# Altium PCB Thunderscope_Rev2.PCBDOC (part 2 of 6) (continued)
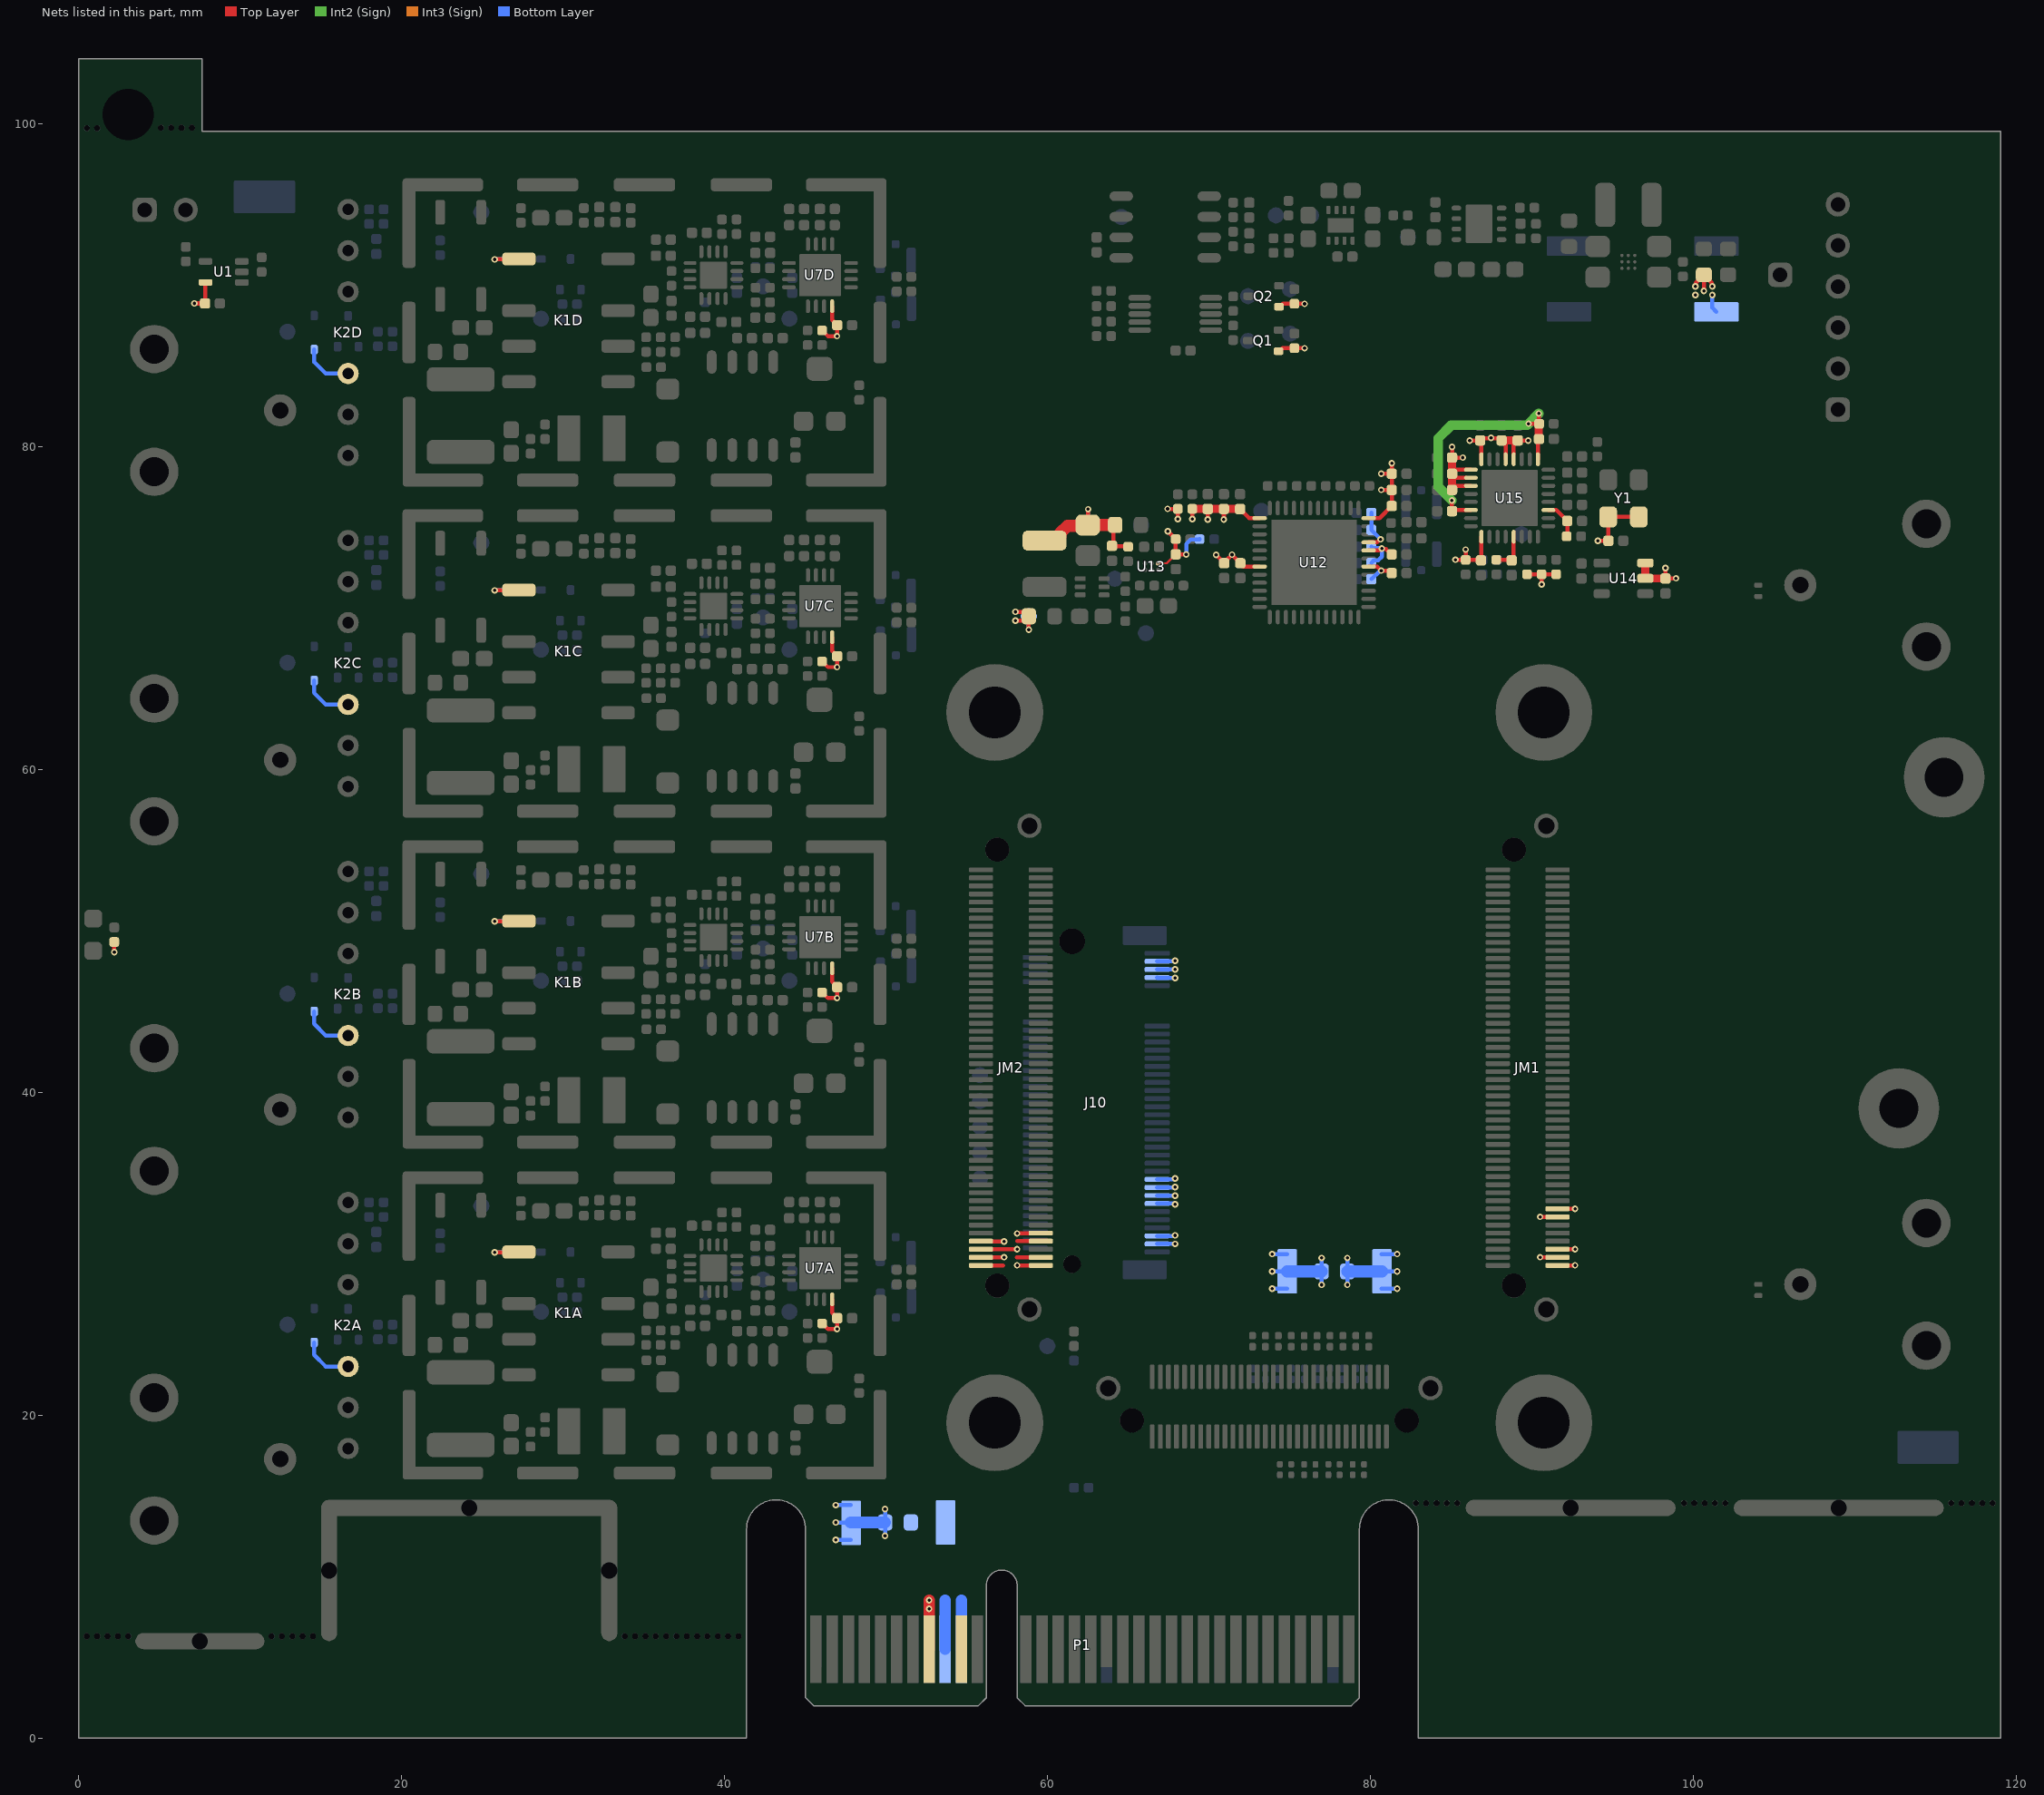
[diagram p6: the nets of this part, all layers, seen from the top]
## Footprints (in the part's own frame and the unit in brackets; to place one, negate y for a bottom-side part, rotate by r counter-clockwise, add the part's x,y. Pads: shape width x height; smd on the part's side, far side on the other; paste and mask are expansions set on the pad) (continued)
  oval 0.85x0.25 smd: 1(-1.925,0.75) 2(-1.925,0.25) 3(-1.925,-0.25) 4(-1.925,-0.75) 9(1.925,-0.75) 10(1.925,-0.25) 11(1.925,0.25) 12(1.925,0.75)
  oval 0.25x0.85 smd: 5(-0.75,-1.925) 6(-0.25,-1.925) 7(0.25,-1.925) 8(0.75,-1.925) 13(0.75,1.925) 14(0.25,1.925) 15(-0.25,1.925) 16(-0.75,1.925)
  rrect5% 2.6x2.6 smd paste-1.3: 17(0,0)
  silkscreen extent -2.97,-2.2 2.2,2.2, body extent -2.05,-2.05 2.05,2.05, height 0.8
TI_WSON8_DSG0008A [mm] "SON, 8-Leads, Body 2.00x2.00mm, Pitch 0.50mm, Thermal Pad 1.60x0.69mm, IPC Medium Density"
  rrect50% 0.5x0.25 smd: 1(-0.95,0.75) 2(-0.95,0.25) 3(-0.95,-0.25) 4(-0.95,-0.75) 5(0.95,-0.75) 6(0.95,-0.25) 7(0.95,0.25) 8(0.95,0.75)
  rrect10% 0.9x1.6 smd paste-0.9: 9(0,0)
  silkscreen extent -1.35,-1.2 1.05,1.25, body extent -1.05,-1.05 1.05,1.05, height 0.8
TI_X1SON_DPY0002A [mm] "Chip Resistor, 2-Leads, Body 1.00x0.50mm, IPC Medium Density"
  rrect50% 0.3x0.5 smd: 1(-0.35,0) 2(0.35,0)
  body extent -0.55,-0.35 0.55,0.35, height 0.45
VISH_TSOT6 [mm] "SOT23, 6-Leads, Body 2.98x2.84mm, Pitch 0.95mm, IPC Medium Density"
  rrect50% 1x0.55 smd: 1(-1.35,0.95) 2(-1.35,0) 3(-1.35,-0.95) 4(1.35,-0.95) 5(1.35,0) 6(1.35,0.95)
  silkscreen extent -2.22,-1.55 0.45,1.67, body extent -1.49,-1.55 1.49,1.55, height 1.1

## Part data
C1 C12 C13 C14 C24A C24B C24C C24D C26A C26B C26C C26D C28A C28B C28C C28D C32A C32B C32C C32D C33A C33B C33C C33D C34A C34B C34C C34D C35A C35B C35C C35D C36A C36B C36C C36D C37A C37B C37C C37D C38A C38B C38C C38D C39A C39B C39C C39D C59 C63A C63B C63C C63D C64A C64B C64C C64D C96 C97 C98 C99 C100 C102A C102B C102C C102D C103 C104: library part "CAP 100nF 16V X7R 0402", Package=0402, Supplier Part Number 1=490-4759-1-ND, Voltage Rating=16V, Supplier 1=Digi-Key
C2 C3 C53: library part "CAP 22uF 25V X5R 0805", Package=0805, Supplier Part Number 1=490-10749-1-ND, Voltage Rating=25V, Supplier 1=Digi-Key
C4 C29A C29B C29C C29D: library part "CAP 100pF 50V C0G 0402", Package=0402, Supplier Part Number 1=490-14349-1-ND, Temperature Coefficient=C0G, Voltage Rating=50V, Supplier 1=Digi-Key
C5 C6 C7 C8 C11 C52 C60: library part "CAP 10uF 10V X5R 0603", Package=0402, Supplier Part Number 1=490-10474-1-ND, Voltage Rating=10V, Supplier 1=Digi-Key
C9 C25A C25B C25C C25D C30A C30B C30C C30D C41 C42 C49 C50 C54 C58 C82 C83 C84 C85 C86 C87 C88 C89 C90 C93 C94 C95: library part "CAP 1uF 25V X5R 0402", Package=0402, Supplier Part Number 1=490-10017-1-ND, Voltage Rating=25V, Supplier 1=Digi-Key
C10 C22A C22B C22C C22D C45 C46 C56: library part "CAP 1nF 50V C0G 0402", Package=0402, Supplier Part Number 1=490-6189-1-ND, Voltage Rating=50V, Supplier 1=Digi-Key
C15 C16 C40 C62 C65 C66 C67 C68 C69 C70 C71 C72 C73 C74 C75 C76 C77 C79 C80 C81: library part "CAP 100nF 6.3V X5R 0201", Package=0201, Supplier Part Number 1=490-3167-1-ND, Voltage Rating=6.3V, Supplier 1=Digi-Key
C17A C17B C17C C17D C27A C27B C27C C27D C101A C101B C101C C101D: library part "CAP 22nF 100V X7R 0603", Package=0603, Supplier Part Number 1=490-4782-1-ND, Voltage Rating=100V, Supplier 1=Digi-Key
C18A C18B C18C C18D: library part "CAP TRIMMER 5.5-20PF 500V", Supplier Part Number 1=2447-SGC3S200NMCT-ND, Supplier 1=Digikey
C19A C19B C19C C19D: library part "CAP 10pF 100V C0G 0603", Package=0603, Supplier Part Number 1=478-5769-1-ND, Voltage Rating=100V, Supplier 1=Digi-Key
C20A C20B C20C C20D: library part "CAP 680pF 50V C0G 0402", Package=0402, Supplier Part Number 1=490-16439-1-ND, Temperature Coefficient=C0G, Voltage Rating=50V, Supplier 1=Digi-Key
C21A C21B C21C C21D: library part "CAP 300pF 50V C0G 0402", Package=0402, Supplier Part Number 1=490-GCM1555C1H301FA16DCT-ND, Temperature Coefficient=C0G, Voltage Rating=50V, Supplier 1=Digi-Key
C23A C23B C23C C23D C43 C44 C47 C48 C55 C57: library part "CAP 10nF 50V X7R 0402", Package=0402, Supplier Part Number 1=490-6351-1-ND, Voltage Rating=50V, Supplier 1=Digi-Key
C31A C31B C31C C31D C78A C78B C78C C78D: library part "CAP 2.2uF 10V X5R 0402", Package=0402, Supplier Part Number 1=587-3153-1-ND, Voltage Rating=10V, Supplier 1=Digi-Key
C51: library part "CAP 39pF 50V C0G 0402", Package=0402, Supplier Part Number 1=399-C0402C390J5GAC7867CT-ND, Temperature Coefficient=C0G, Voltage Rating=50V, Supplier 1=Digi-Key
C61 C91 C92: library part "CAP 4.7uF 6.3V X5R 0402", Package=0402, Supplier Part Number 1=490-5915-1-ND, Voltage Rating=6.3V, Supplier 1=Digi-Key
D1: library part "LED GREEN 0603 LTST-S270K", Supplier Part Number 1=160-1478-1-ND, Supplier 1=Digi-Key
D2A D2B D2C D2D D3A D3B D3C D3D: library part "DIODE 1N4148", Max Current=150mA, Max Reverse Voltage=75V, Supplier Part Number 1=1N4148WS-FDICT-ND, Supplier 1=Digi-Key
D4 D5: library part "TVS TPD1E1B04", Supplier Part Number 1=296-47364-1-ND, Supplier 1=Digi-Key
FB1 FB2 FB3 FB4 FB5 FB6: library part "FERRITE BEAD 120 OHM 0402", Supplier Part Number 1=490-9656-1-ND, Supplier 1=Digi-Key
GDT1A GDT1B GDT1C GDT1D: library part "GDT 75V 1812", Supplier Part Number 1=YAG6774CT-ND, Supplier 1=Digi-Key
J1: library part "CONN 2.54mm 2 Pin TH RA", Supplier Part Number 1=SAM12296-ND, Supplier 1=Digi-Key
J2A J2B J2C J2D J3A J3B J3C J3D J5 J6: library part "UFL Jack SMD", Supplier Part Number 1=A145155CT-ND, Supplier 1=Digi-Key
J4A J4B J4C J4D J7 J9: library part "BNC JACK R/A", Supplier Part Number 1=WM5524-ND, Supplier 1=Digi-Key
J8: library part "CONN 2.54mm 6 Pin TH RA", Supplier Part Number 1=732-5339-ND, Supplier 1=Digi-Key
J10: Supplier Part Number 1=A124992CT-ND, Supplier 1=Digi-Key
JM1 JM2: library part "CONN LSHM-150-04.0-L-DV-A-S-K-TR", Supplier Part Number 1=SAM9033CT-ND, Supplier 1=Digi-Key
JM3: library part "CONN LSHM-130-04.0-L-DV-A-S-K-TR", Supplier Part Number 1=SAM9034CT-ND, Supplier 1=Digi-Key
K1A K1B K1C K1D: library part "RELAY DPDT-NO FTR-B3SA", Supplier Part Number 1=817-FTR-B3SA003Z, Supplier 1=Mouser
K2A K2B K2C K2D: library part "RELAY RF SPST-NO 9002-05-10"
L1 L2: library part "IND 1uH 3.1A 45 MOHM 1210", Supplier Part Number 1=490-10590-1-ND, Supplier 1=Digi-Key
L3A L3B L3C L3D: library part "IND TBD 0402"
MH1 MH2 MH3 MH4: library part "MH M3"
P1: library part CMP-0001-00031-2, "Golden finger, PCIeX4, Dual, Opposite, Pitch 1mm, 64-Position", ClassName="Edge Connector", Datasheet Version="rev2.0, Apr-2007", Mating Connector=Molex-87715-9106, Package Reference=PCIeX4-GF-2D-1000-1K-O64, Publisher=Altium
Q1 Q2 Q3A Q3B Q3C Q3D Q4A Q4B Q4C Q4D: library part "NMOS DMN62D0UW", Max Power=320mW, Supplier Part Number 1=DMN62D0UW-7DICT-ND, Id=340mA, Supplier 1=Digi-Key, Vdss=60V
R1 R30A R30B R30C R30D R40A R40B R40C R40D R50A R50B R50C R50D R51A R51B R51C R51D R86 R88: library part "RES 0 OHM 1/16W 0402", Package=0402, Power Rating=0.0625W, Supplier Part Number 1=311-0.0JRCT-ND, Supplier 1=Digi-Key
R2 R6 R14 R16 R20 R21 R22 R23 R26A R26B R26C R26D R27A R27B R27C R27D R28A R28B R28C R28D R29A R29B R29C R29D R38 R42 R44 R46 R52A R52B R52C R52D R89 R90 R91 R92 R93 R94 R97A R97B R97C R97D R98A R98B R98C R98D: library part "RES 10K OHM 1% 1/10W 0402", Package=0402, Power Rating=0.1W, Supplier Part Number 1=P10.0KLCT-ND, Tolerance=1%, Supplier 1=Digi-Key
R3 R4 R5 R7 R36 R58 R87 R95: library part "RES 0.01 OHM 1% 1/4W 0603", Package=0603, Power Rating=0.25W, Supplier Part Number 1=408-1404-1-ND, Tolerance=1%, Supplier 1=Digi-Key
R8 R9: library part "RES 0.1 OHM 1% 1/6W 0402", Package=0402, Power Rating=0.16W, Supplier Part Number 1=P.10AKCT-ND, Tolerance=1%, Supplier 1=Digi-Key
R10 R24A R24B R24C R24D: library part "RES 309K OHM 1% 1/16W 0402", Package=0402, Power Rating=0.0625W, Supplier Part Number 1=YAG3108CT-ND, Tolerance=1%, Supplier 1=Digi-Key
R11: library part "RES 294K OHM 1% 1/16W 0402", Package=0402, Power Rating=0.0625W, Supplier Part Number 1=YAG3092CT-ND, Tolerance=1%, Supplier 1=Digi-Key
R12: library part "RES 36K OHM 1% 1/16W 0402", Package=0402, Power Rating=0.0625W, Supplier Part Number 1=311-36.0KLRCT-ND, Tolerance=1%, Supplier 1=Digi-Key
R13 R32A R32B R32C R32D R39 R61: library part "RES 100K OHM 1% 1/10W 0402", Package=0402, Power Rating=0.1W, Supplier Part Number 1=311-100KLRCT-ND, Tolerance=1%, Supplier 1=Digi-Key
R15 R17 R18 R19 R48A R48B R48C R48D: library part "RES 2K OHM 1% 1/16W 0402", Package=0402, Power Rating=0.0625W, Supplier Part Number 1=311-2KLRCT-ND, Tolerance=1%, Supplier 1=Digi-Key
R25A R25B R25C R25D: library part "RES 681K OHM 1% 1/16W 0402", Package=0402, Power Rating=0.0625W, Supplier Part Number 1=YAG3212CT-ND, Tolerance=1%, Supplier 1=Digi-Key
R31A R31B R31C R31D R33A R33B R33C R33D R84 R85: library part "RES 49.9 OHM 1% 1/10W 0402", Package=0402, Power Rating=0.1W, Supplier Part Number 1=311-49.9LRCT-ND, Tolerance=1%, Supplier 1=Digi-Key
R34A R34B R34C R34D R41A R41B R41C R41D R99A R99B R99C R99D R100A R100B R100C R100D: library part "RES 909K OHM 1% 1/16W 0402", Package=0402, Power Rating=0.0625W, Supplier Part Number 1=YAG2377CT-ND, Tolerance=1%, Supplier 1=Digi-Key
R35A R35B R35C R35D R45A R45B R45C R45D R53A R53B R53C R53D R67: library part "RES 1K OHM 1% 1/10W 0402", Package=0402, Power Rating=0.1W, Supplier Part Number 1=311-1.00KLRCT-ND, Tolerance=1%, Supplier 1=Digi-Key
R37: library part "RES 220K OHM 1% 1/16W 0402", Package=0402, Power Rating=0.0625W, Supplier Part Number 1=311-220KLRCT-ND, Tolerance=1%, Supplier 1=Digi-Key
R43A R43B R43C R43D R47A R47B R47C R47D R49A R49B R49C R49D: library part "RES 90.9K OHM 1% 1/16W 0402", Package=0402, Power Rating=0.0625W, Supplier Part Number 1=311-90.9KLRCT-ND, Tolerance=1%, Supplier 1=Digi-Key
R54A R54B R54C R54D: library part "RES DNP 0402", Package=0402, Power Rating=0.0625W, Tolerance=1%
R55A R55B R55C R55D: library part "TRIMMER 5K OHM 0.1W J LEAD TOP", Power Rating=0.1W, Supplier Part Number 1=TC33X-502ECT-ND, Tolerance=1%, Supplier 1=Digi-Key
R56A R56B R56C R56D R57 R60 R62 R63 R64 R96A R96B R96C R96D: library part "RES 100 OHM 1% 1/10W 0402", Package=0402, Power Rating=0.1W, Supplier Part Number 1=2019-RK73H1ETTP1000FCT-ND, Tolerance=1%, Supplier 1=Digi-Key
R59: library part "RES 261K OHM 1% 1/16W 0402", Package=0402, Power Rating=0.0625W, Supplier Part Number 1=311-261KLRCT-ND, Tolerance=1%, Supplier 1=Digi-Key
R65A R65B R65C R65D: library part "RES TBD 0603", Package=0603
R68 R69 R70 R71 R72 R73 R74 R75 R76 R77 R78 R79 R80 R81 R82 R83: library part "RES 0 OHM 1% 1/20W 0201", Package=0201, Power Rating=0.05W, Supplier Part Number 1=RMCF0201ZT0R00CT-ND, Tolerance=1%, Supplier 1=Digi-Key
SHLD3A SHLD3B SHLD3C SHLD3D: library part "SHIELD 2118728-2", Supplier Part Number 1=A126158CT-ND, Supplier 1=Digi-Key
TP1 TP3 TP4 TP8 TP40 TP41 TP45 TP46: library part "TP KEYSTONE 5015", Supplier Part Number 1=36-5015CT-ND, Supplier 1=Digi-Key
TP5 TP6: library part "TP KEYSTONE 5019", Supplier Part Number 1=36-5019CT-ND, Supplier 1=Digi-Key
TP9 TP10 TP11 TP12 TP13 TP15 TP16 TP17 TP18 TP19 TP20 TP21 TP22A TP22B TP22C TP22D TP23A TP23B TP23C TP23D TP24A TP24B TP24C TP24D TP25A TP25B TP25C TP25D TP26A TP26B TP26C TP26D TP27 TP28 TP29 TP33 TP34 TP35 TP36 TP37 TP38 TP39 TP42 TP43 TP44: library part "TP PCB 1mm"
U1: library part "IC BUFFER SN74LVC1G17", Supplier Part Number 1=296-11934-1-ND, Supplier 1=Digi-Key
U2: library part "IC BOOST TPS61256A", Supplier Part Number 1=296-48833-1-ND, Supplier 1=Digi-Key
U3: library part "IC LDO ISL80510", Supplier Part Number 1=968-ISL80510IRAJZ-T7, Supplier 1=Mouser
U4: library part "IC CPUMP LM27761", Supplier Part Number 1=296-44379-1-ND, Supplier 1=Digi-Key
U5 U9A U9B U9C U9D: library part "IC OPAMP OP07CDR", Supplier Part Number 1=296-14626-1-ND, Supplier 1=Digi-Key
U6: library part "IC DAC QUAD MCP4728", Supplier Part Number 1=MCP4728A1T-E/UNCT-ND, Supplier 1=Digi-Key
U7A U7B U7C U7D: library part "IC PGA LMH6518", Supplier Part Number 1=LMH6518SQE/NOPBCT-ND, Supplier 1=Digi-Key
U8A U8B U8C U8D: library part "IC BUFFER AMP BUF802"
U10A U10B U10C U10D: library part "SSR CPC1017NTR", Supplier Part Number 1=CLA233CT-ND, Supplier 1=Digi-Key
U11: library part "IC BUCK TPS62A01"
U12: library part "IC ADC HMCAD1511", Supplier Part Number 1=1127-1648-ND, Supplier 1=Digi-Key
U13: library part "IC LDO LD57100JR", Supplier Part Number 1=497-LD57100JRCT-ND, Supplier 1=Digi-Key
U14: library part "IC SWITCH LOAD SIP32508", Supplier Part Number 1=SIP32508DT-T1-GE3CT-ND, Supplier 1=Digi-Key
U15: library part "IC CLK GEN ZL30250LDG1"
VAR1A VAR1B VAR1C VAR1D: library part "VARISTOR 68V 250A 1210", Supplier Part Number 1=118-ZV40K1210251NIR1HTCT-ND, Supplier 1=Digi-Key
Y1: library part "OSC 10MHz ECS-TXO-3225MV", Supplier Part Number 1=50-ECS-TXO-3225MV-100-CT-ND, Supplier 1=Digi-Key

## Free pads (board coordinates)
  round 0.38 hole 0.38 unplated mask+0: 1(0.5,6.3) 1(0.5,99.7) 1(1.14,6.3) 1(1.14,99.7) 1(1.78,6.3) 1(2.42,6.3) 1(3.06,6.3) 1(5.085,99.725) 1(5.725,99.725) 1(6.365,99.725) 1(7.005,99.725) 1(11.94,6.3) 1(12.58,6.3) 1(13.22,6.3) 1(13.86,6.3) 1(14.5,6.3) 1(33.81,6.3) 1(34.45,6.3) 1(35.09,6.3) 1(35.73,6.3) 1(36.37,6.3) 1(37.01,6.3) 1(37.65,6.3) 1(38.29,6.3) 1(38.93,6.3) 1(39.57,6.3) 1(40.21,6.3) 1(40.85,6.3) 1(82.795,14.55) 1(83.435,14.55) 1(84.075,14.55) 1(84.715,14.55) 1(85.355,14.55) 1(99.395,14.55) 1(100.035,14.55) 1(100.675,14.55) 1(101.315,14.55) 1(101.955,14.55) 1(115.94,14.55) 1(116.58,14.55) 1(117.22,14.55) 1(117.86,14.55) 1(118.5,14.55)
  oval 8x1 hole 1 slot 8 at 0 deg unplated: 1(7.5,6)
  oval 1x8.75 hole 1 slot 8.75 at 90 deg unplated: 1(15.5,10.375) 1(32.85,10.375)
  oval 18.35x1 hole 1 slot 18.35 at 0 deg unplated: 1(24.175,14.25)
  oval 13x1 hole 1 slot 13 at 0 deg unplated: 1(92.375,14.25) 1(108.975,14.25)
  round 2.88 hole 3.18 unplated: MH1(3.05,100.55)
  round 5 hole 2.4: MH2(112.7,39) MH2(115.5,59.5)

## Via types
v1: diameter 0.406, hole 0.203, Top Layer to Bottom Layer, tented both sides, 1168 vias

## Nets (pads, with @x,y where several pads share a name; then routed paths per layer and width w, separated by ;. In a path a pad name is that pad's centre, name@x,y a point inside that pad or via, vN(x,y) a via of type N, cw(c..) or ccw(c..) an arc to the next point about the centre after c; other vN are vias at no path point)
3.3Vaux: P1.B10
+1V8A: C41.2 C42.2 C43.2 C44.2 C45.2 C46.2 C54.2 C55.2 C56.2 FB1.2 U12.1 U12.32 U12.36 | length 15.7
  Top Layer w0.254: v1(68.95,75.495) FB1.2@68.95,76.125 FB1.2@68.954,76.121 ; v1(69.9,75.466) 69.904,75.47 69.904,76.113 C42.2@69.907,76.117 C42.2@69.903,76.121 ; v1(70.9,75.466) 70.904,75.47 70.904,76.113 C44.2@70.907,76.117 ; C46.2@71.907,76.117 72.474,75.55 U12.1@73.118,75.55 ; U12.32@79.868,73.55 79.87,73.552 80.521,73.552 80.644,73.675 v1@80.675,73.675 ; U12.36@79.868,75.55 79.87,75.552 80.549,75.552 C45.2@81.297,76.3 C43.2@81.297,77.3 ; v1(80.647,77.3) C43.2@81.297,77.3 ; v1(80.647,78.3) C41.2@81.297,78.3 ; v1(80.685,73.675) v1@80.675,73.675 ; C56.2@81.297,73.3 81.279,73.3 80.933,73.646 80.704,73.646 v1@80.675,73.675 ; v1(81.3,78.95) 81.299,78.949 81.299,78.301 C41.2@81.297,78.3 ; C43.2@81.297,77.3 C41.2@81.297,78.3
  Top Layer w0.5: FB1.2@68.954,76.121 C42.2@69.903,76.121 ; C42.2@69.907,76.117 C44.2@70.907,76.117 C46.2@71.907,76.117
  Bottom Layer w0.254: C55.2@80.035,72.775 80.191,72.931 80.456,72.931 80.685,73.16 v1(80.685,73.675) 80.656,73.704 80.106,73.704 C54.2@80.035,73.775
+1V8APLL: C82.1 C83.1 C84.1 C85.1 C86.1 C87.1 C88.1 C89.1 FB3.2 U15.12 U15.13 U15.16 U15.17 U15.18 U15.19 U15.25 Y1.1 Y1.4 | length 20.4
  Top Layer w0.254: C87.1@85.035,77.282 C87.1@85.035,77.3 ; v1(85.035,79.965) C85.1@85.035,79.3 v1(85.7,79.3) ; v1(85.245,72.975) FB3.2@85.875,72.975 ; C87.1@85.278,77.55 U15.19@86.2,77.55 ; C86.1@85.278,78.55 U15.17@86.2,78.55 ; C86.1@85.302,78.051 U15.18@85.902,78.051 ; v1(85.875,73.605) FB3.2@85.875,72.975 ; v1@86.132,80.358 C84.1@86.75,80.358 ; C84.1@86.775,80.365 C84.1@86.783,80.358 ; C88.1@86.825,72.935 C88.1@86.845,72.955 ; U15.25@86.85,74.4 86.848,74.398 86.848,72.958 C88.1@86.845,72.955 ; U15.16@86.85,79.2 86.848,79.202 86.848,80.292 C84.1@86.783,80.358 ; C83.1@88.1,80.365 87.969,80.496 87.479,80.496 v1(87.45,80.525) 87.421,80.496 86.921,80.496 C84.1@86.783,80.358 ; C83.1@88.125,80.347 88.35,80.122 U15.13@88.35,79.2 ; U15.12@88.851,79.498 88.851,80.098 88.967,80.214 C82.1@88.967,80.365 ; C82.1@89.1,80.365 89.108,80.358 89.743,80.358 v1(89.75,80.35) ; v1(94.065,74.15) C89.1@94.715,74.15 94.707,74.157 94.707,75.618 Y1.4@94.7,75.625 Y1.1@96.6,75.625 ; FB3.2@85.875,72.975 85.895,72.955 C88.1@86.845,72.955
  Top Layer w0.5: C87.1@85.035,77.55 C86.1@85.035,78.3 C85.1@85.035,79.3 ; C83.1@88.1,80.365 88.967,80.365 C82.1@89.1,80.365
  other v1: 86.125,80.35
+1V8D: C47.2 C48.2 C49.2 C50.2 FB2.2 U12.7 U12.30 | length 7.3
  Top Layer w0.25: v1(67.42,76.125) FB2.2@68.05,76.125 v1(68.05,75.495) ; C47.2@71.87,72.605 72.061,72.605 72.098,72.568 72.098,72.55 U12.7@73.118,72.55 ; C47.2@71.925,72.76 C47.2@72.098,72.587 ; U12.30@79.868,72.55 80.397,72.55 v1(80.647,72.3) C48.2@81.297,72.3
  Top Layer w0.254: v1(70.427,73.275) 70.427,73.267 C50.2@70.925,72.768 ; C50.2@70.925,72.76 C50.2@70.925,72.768 ; v1@71.41,73.281 71.925,72.766 C47.2@71.925,72.76 ; v1(71.41,73.287) 71.118,72.994 71.118,72.971 70.925,72.778 C50.2@70.925,72.768
  Bottom Layer w0.25: C49.2@80.035,71.775 80.054,71.775 80.549,72.27 80.617,72.27 v1(80.647,72.3)
+1V8DPLL: C90.1 FB4.2 U15.29 | length 2.5
  Top Layer w0.254: FB4.2@87.775,72.975 87.795,72.955 88.705,72.955 C90.1@88.725,72.935 88.848,73.058 88.848,74.398 U15.29@88.85,74.4
+1V92: C51.2 C53.2 L2.2 R37.2 R58.1 TP38.1 | length 9.3
  Top Layer w0.254: C53.2@62.475,75.125 62.5,75.15 v1(62.5,76.105) ; R58.1@64.175,75.125 64.075,75.025 64.075,73.935 C51.2@63.975,73.835 64.005,73.805 64.945,73.805 R37.2@64.975,73.775
  Top Layer w0.75: L2.2@59.8,74.16 60.545,74.16 60.785,74.4 60.785,74.636 61.224,75.075 62.425,75.075 C53.2@62.475,75.125 R58.1@64.175,75.125
  Bottom Layer w0.254: TP38.1@62.475,75.125 62.488,75.138 62.488,76.093 v1(62.5,76.105)
+3V3: C1.1 C26A.2 C26B.2 C26C.2 C26D.2 C57.2 C58.2 C61.2 C91.2 D2A.1 D2B.1 D2C.1 D2D.1 D3A.1 D3B.1 D3C.1 D3D.1 JM1.2 JM1.4 JM1.6 JM1.14 JM1.16 JM2.1 JM2.2 JM2.3 JM2.4 JM2.5 JM2.7 JM2.8 JM2.10 K1A.1 K1B.1 K1C.1 K1D.1 K2A.2 K2B.2 K2C.2 K2D.2 Q1.2 Q2.2 R5.2 R20.2 R21.2 R29A.2 R29B.2 R29C.2 R29D.2 R36.1 R42.2 R44.2 R67.2 R87.2 R89.2 R90.2 R91.2 R95.2 TP8.1 TP28.1 TP41.1 TP46.1 U1.5 U7A.12 U7B.12 U7C.12 U7D.12 U12.33 U13.C2 U14.5 U14.6 | length 91.9
  Top Layer w0.127: U13.C2@66.825,72.75 67.365,72.75 C61.2@67.925,73.31
  Top Layer w0.25: R29A.2@46.025,25.675 46.037,25.675 46.388,25.325 v1(46.95,25.324) ; R29B.2@46.025,46.175 46.037,46.175 46.388,45.825 v1(46.95,45.824) ; R29C.2@46.025,66.675 46.037,66.675 46.388,66.325 v1(46.95,66.324) ; R29D.2@46.025,87.175 46.037,87.175 46.388,86.825 v1(46.95,86.824) ; U7A.12@46.65,27.175 46.65,26.333 46.965,26.018 C26A.2@46.965,26 46.957,25.993 46.957,25.418 v1@46.95,25.418 ; U7B.12@46.65,47.675 46.65,46.833 46.965,46.518 C26B.2@46.965,46.5 46.957,46.493 46.957,45.918 v1@46.95,45.918 ; U7C.12@46.65,68.175 46.65,67.333 46.965,67.018 C26C.2@46.965,67 46.957,66.993 46.957,66.418 v1@46.95,66.418 ; U7D.12@46.65,88.675 46.65,87.833 46.965,87.518 C26D.2@46.965,87.5 46.957,87.493 46.957,86.918 v1@46.95,86.918
  Top Layer w0.254: v1(2.2,48.67) R67.2@2.2,49.05 ; v1(7.165,88.85) C1.1@7.815,88.85 7.833,88.868 7.833,90.133 U1.5@7.85,90.15 ; v1(25.75,30.075) 25.762,30.087 27.243,30.087 K1A.1@27.255,30.1 ; v1(25.75,50.575) 25.762,50.587 27.243,50.587 K1B.1@27.255,50.6 ; v1(25.75,71.075) 25.762,71.087 27.243,71.087 K1C.1@27.255,71.1 ; v1(25.75,91.575) 25.762,91.587 27.243,91.587 K1D.1@27.255,91.6 ; JM2.1@55.867,29.271 57.221,29.271 57.225,29.275 ; JM2.3@55.867,29.771 55.869,29.773 57.298,29.773 v1(57.3,29.775) ; JM2.5@55.867,30.271 58.096,30.271 v1(58.1,30.275) ; JM2.7@55.867,30.771 55.877,30.76 57.29,30.76 v1(57.3,30.75) ; v1(58,69.2) 58.55,69.2 R36.1@58.825,69.475 ; v1(58,69.75) 58.55,69.75 R36.1@58.825,69.475 ; 58.075,29.775 58.079,29.771 JM2.4@59.567,29.771 ; v1(58.1,29.275) 58.102,29.273 59.565,29.273 JM2.2@59.567,29.271 ; 58.1,30.775 58.104,30.771 JM2.8@59.567,30.771 ; v1(58.1,31.25) 58.11,31.26 59.557,31.26 JM2.10@59.567,31.271 ; v1(58.825,68.645) R36.1@58.825,69.475 ; v1(67.435,74.74) R42.2@67.925,74.25 C61.2@67.925,73.31 67.93,73.305 68.57,73.305 v1(68.575,73.3) ; Q1.2@74.29,85.895 74.355,85.895 74.54,86.08 R20.2@75.275,86.08 75.277,86.078 75.903,86.078 v1(75.905,86.075) ; Q2.2@74.315,88.645 74.38,88.645 74.565,88.83 R21.2@75.275,88.83 ; R21.2@75.277,88.828 75.903,88.828 v1(75.905,88.825) ; U12.33@79.868,74.05 79.87,74.052 80.382,74.052 80.57,74.24 v1(80.607,74.24) ; R89.2@89.675,72.075 R90.2@90.575,72.075 ; v1(90.487,29.775) 90.489,29.773 91.565,29.773 JM1.4@91.567,29.771 ; v1(90.487,32.275) 90.489,32.273 91.565,32.273 JM1.14@91.567,32.271 ; v1(90.575,71.445) R90.2@90.575,72.075 ; R91.2@91.475,72.075 R90.2@90.575,72.075 ; JM1.2@91.567,29.271 91.569,29.273 92.645,29.273 v1(92.647,29.275) ; JM1.6@91.567,30.271 91.569,30.273 92.645,30.273 v1(92.647,30.275) ; JM1.16@91.567,32.771 91.569,32.773 92.645,32.773 v1(92.647,32.775) ; v1(98.25,72.46) C91.2@98.25,71.81 98.257,71.818 98.893,71.818 v1(98.9,71.825) ; v1(100.102,89.903) 100.131,89.933 100.131,90.128 R5.2@100.625,90.622 ; v1(100.625,89.625) R5.2@100.625,90.622 ; R5.2@100.625,90.625 R5.2@100.625,90.622 ; v1(101.148,89.903) 101.119,89.933 101.119,90.128 R5.2@100.625,90.622
  Top Layer w0.5: U14.6@97.025,72.75 U14.6@97,72.775 U14.5@97,71.825 97.007,71.818 98.242,71.818 C91.2@98.25,71.81
  Int3 (Sign) w0.203: v1(100.097,89.37) v1@100.1,89.373 ; v1@100.1,89.902 v1(100.102,89.903)
  Bottom Layer w0.254: D3A.1@14.575,24.495 14.575,23.725 15.289,23.011 K2A.2@16.675,23.011 ; D3B.1@14.575,44.995 14.575,44.225 15.289,43.511 K2B.2@16.675,43.511 ; D3C.1@14.575,65.495 14.575,64.725 15.289,64.011 K2C.2@16.675,64.011 ; D3D.1@14.575,85.995 14.575,85.225 15.289,84.511 K2D.2@16.675,84.511 ; v1(25.75,30.075) 25.762,30.087 26.507,30.087 D2A.1@26.52,30.1 ; v1(25.75,50.575) 25.762,50.587 26.507,50.587 D2B.1@26.52,50.6 ; v1(25.75,71.075) 25.762,71.088 26.507,71.088 D2C.1@26.52,71.1 ; v1(25.75,91.575) 25.762,91.588 26.507,91.588 D2D.1@26.52,91.6 ; v1(46.87,12.275) TP41.1@47.8,12.275 ; v1(46.87,13.35) TP41.1@47.8,13.35 ; v1(46.87,14.425) TP41.1@47.8,14.425 ; v1(49.925,12.52) R87.2@49.925,13.35 v1(49.925,14.18) ; v1(58.825,68.645) TP28.1@58.825,69.475 ; v1(68.575,73.3) 68.575,73.95 68.868,74.243 69.393,74.243 R44.2@69.4,74.25 ; v1(78.55,28.07) R95.2@78.55,28.9 v1(78.55,29.73) ; C58.2@80.035,75.875 C57.2@80.035,74.825 80.035,74.818 80.607,74.246 v1(80.607,74.24) ; TP46.1@80.675,27.825 v1(81.63,27.825) ; TP46.1@80.675,28.9 v1(81.63,28.9) ; TP46.1@80.675,29.975 v1(81.63,29.975) ; v1(101.148,89.903) v1@101.149,89.902 ; v1(101.15,89.37) v1(101.15,89.37) 101.15,88.575 TP8.1@101.4,88.325
  Bottom Layer w0.75: TP41.1@47.8,13.35 R87.2@49.925,13.35 ; R95.2@78.55,28.9 80.675,28.9 TP46.1@80.7,28.9
+3V3_M2: J10.3 J10.5 J10.13 J10.15 J10.17 J10.19 J10.69 J10.71 J10.73 R95.1 TP45.1 | length 16.6
  Bottom Layer w0.254: J10.3@66.775,30.6 v1(67.88,30.6) ; J10.5@66.775,31.1 67.805,31.1 67.839,31.133 v1(67.88,31.133) ; J10.13@66.775,33.1 67.797,33.1 67.839,33.058 v1(67.88,33.058) ; J10.15@66.775,33.6 66.779,33.596 67.876,33.596 v1(67.88,33.592) ; J10.17@66.775,34.1 67.855,34.1 v1(67.88,34.125) ; J10.19@66.775,34.6 67.78,34.6 67.839,34.658 v1(67.88,34.658) ; J10.69@66.775,47.1 66.792,47.083 67.863,47.083 v1(67.88,47.067) ; J10.71@66.775,47.6 v1(67.88,47.6) ; J10.73@66.775,48.1 67.805,48.1 67.839,48.133 v1(67.88,48.133) ; v1(73.895,27.825) TP45.1@74.825,27.825 ; v1(73.895,28.9) TP45.1@74.825,28.9 ; v1(73.895,29.975) TP45.1@74.825,29.975 ; v1(76.95,28.07) R95.1@76.95,28.9 v1(76.95,29.73)
  Bottom Layer w0.75: TP45.1@74.825,28.9 R95.1@76.95,28.9
+3V3_PCIe: P1.A9 P1.A10 P1.B8 R87.1 TP40.1 | length 9.1
  Top Layer w0.7: P1.B8@52.65,5.5 v1(52.65,8) v1(52.65,8.533)
  Bottom Layer w0.7: P1.A9@53.65,5.5 53.65,8.525 ; P1.A10@54.65,5.5 54.65,8.525
+3V3APLL: C93.1 C94.1 FB5.2 U15.9 U15.22 | length 16.4
  Top Layer w0.254: v1(85.025,76.65) 85.03,76.645 85.03,75.98 C94.1@85.035,75.975 ; C94.1@85.035,76.05 U15.22@86.2,76.05 ; v1(89.775,81.4) 90.4,81.4 90.413,81.413 90.413,82.018 v1(90.4,82.03) ; U15.9@90.35,79.2 90.35,80.385 C93.1@90.415,80.45
  Top Layer w0.5: C93.1@90.4,80.465 FB5.2@90.4,81.4
  Int2 (Sign) w0.6: v1(85.025,76.65) 84.175,77.5 84.175,80.5 84.975,81.3 89.675,81.3 v1(89.775,81.4) ; v1@89.77,81.4 v1(90.4,82.03)
+3V3DPLL: C95.1 FB6.2 U15.3 | length 2.4
  Top Layer w0.254: U15.3@91,76.05 91.49,76.05 C95.1@92.165,75.375 92.17,75.37 92.17,74.43 FB6.2@92.175,74.425